# Altium PCB SI945D.PCBDOC (part 2 of 2)
Units mil, origin at the board's own origin, x right, y up, seen from the top; angles counter-clockwise.
Board outline 3122.05 x 2322.84 mil, 4 copper layers (Top, MidLayer1, MidLayer2, Bottom), stack 64.291 mil thick; 171 components, 95 nets, 602 pads, 218 vias.
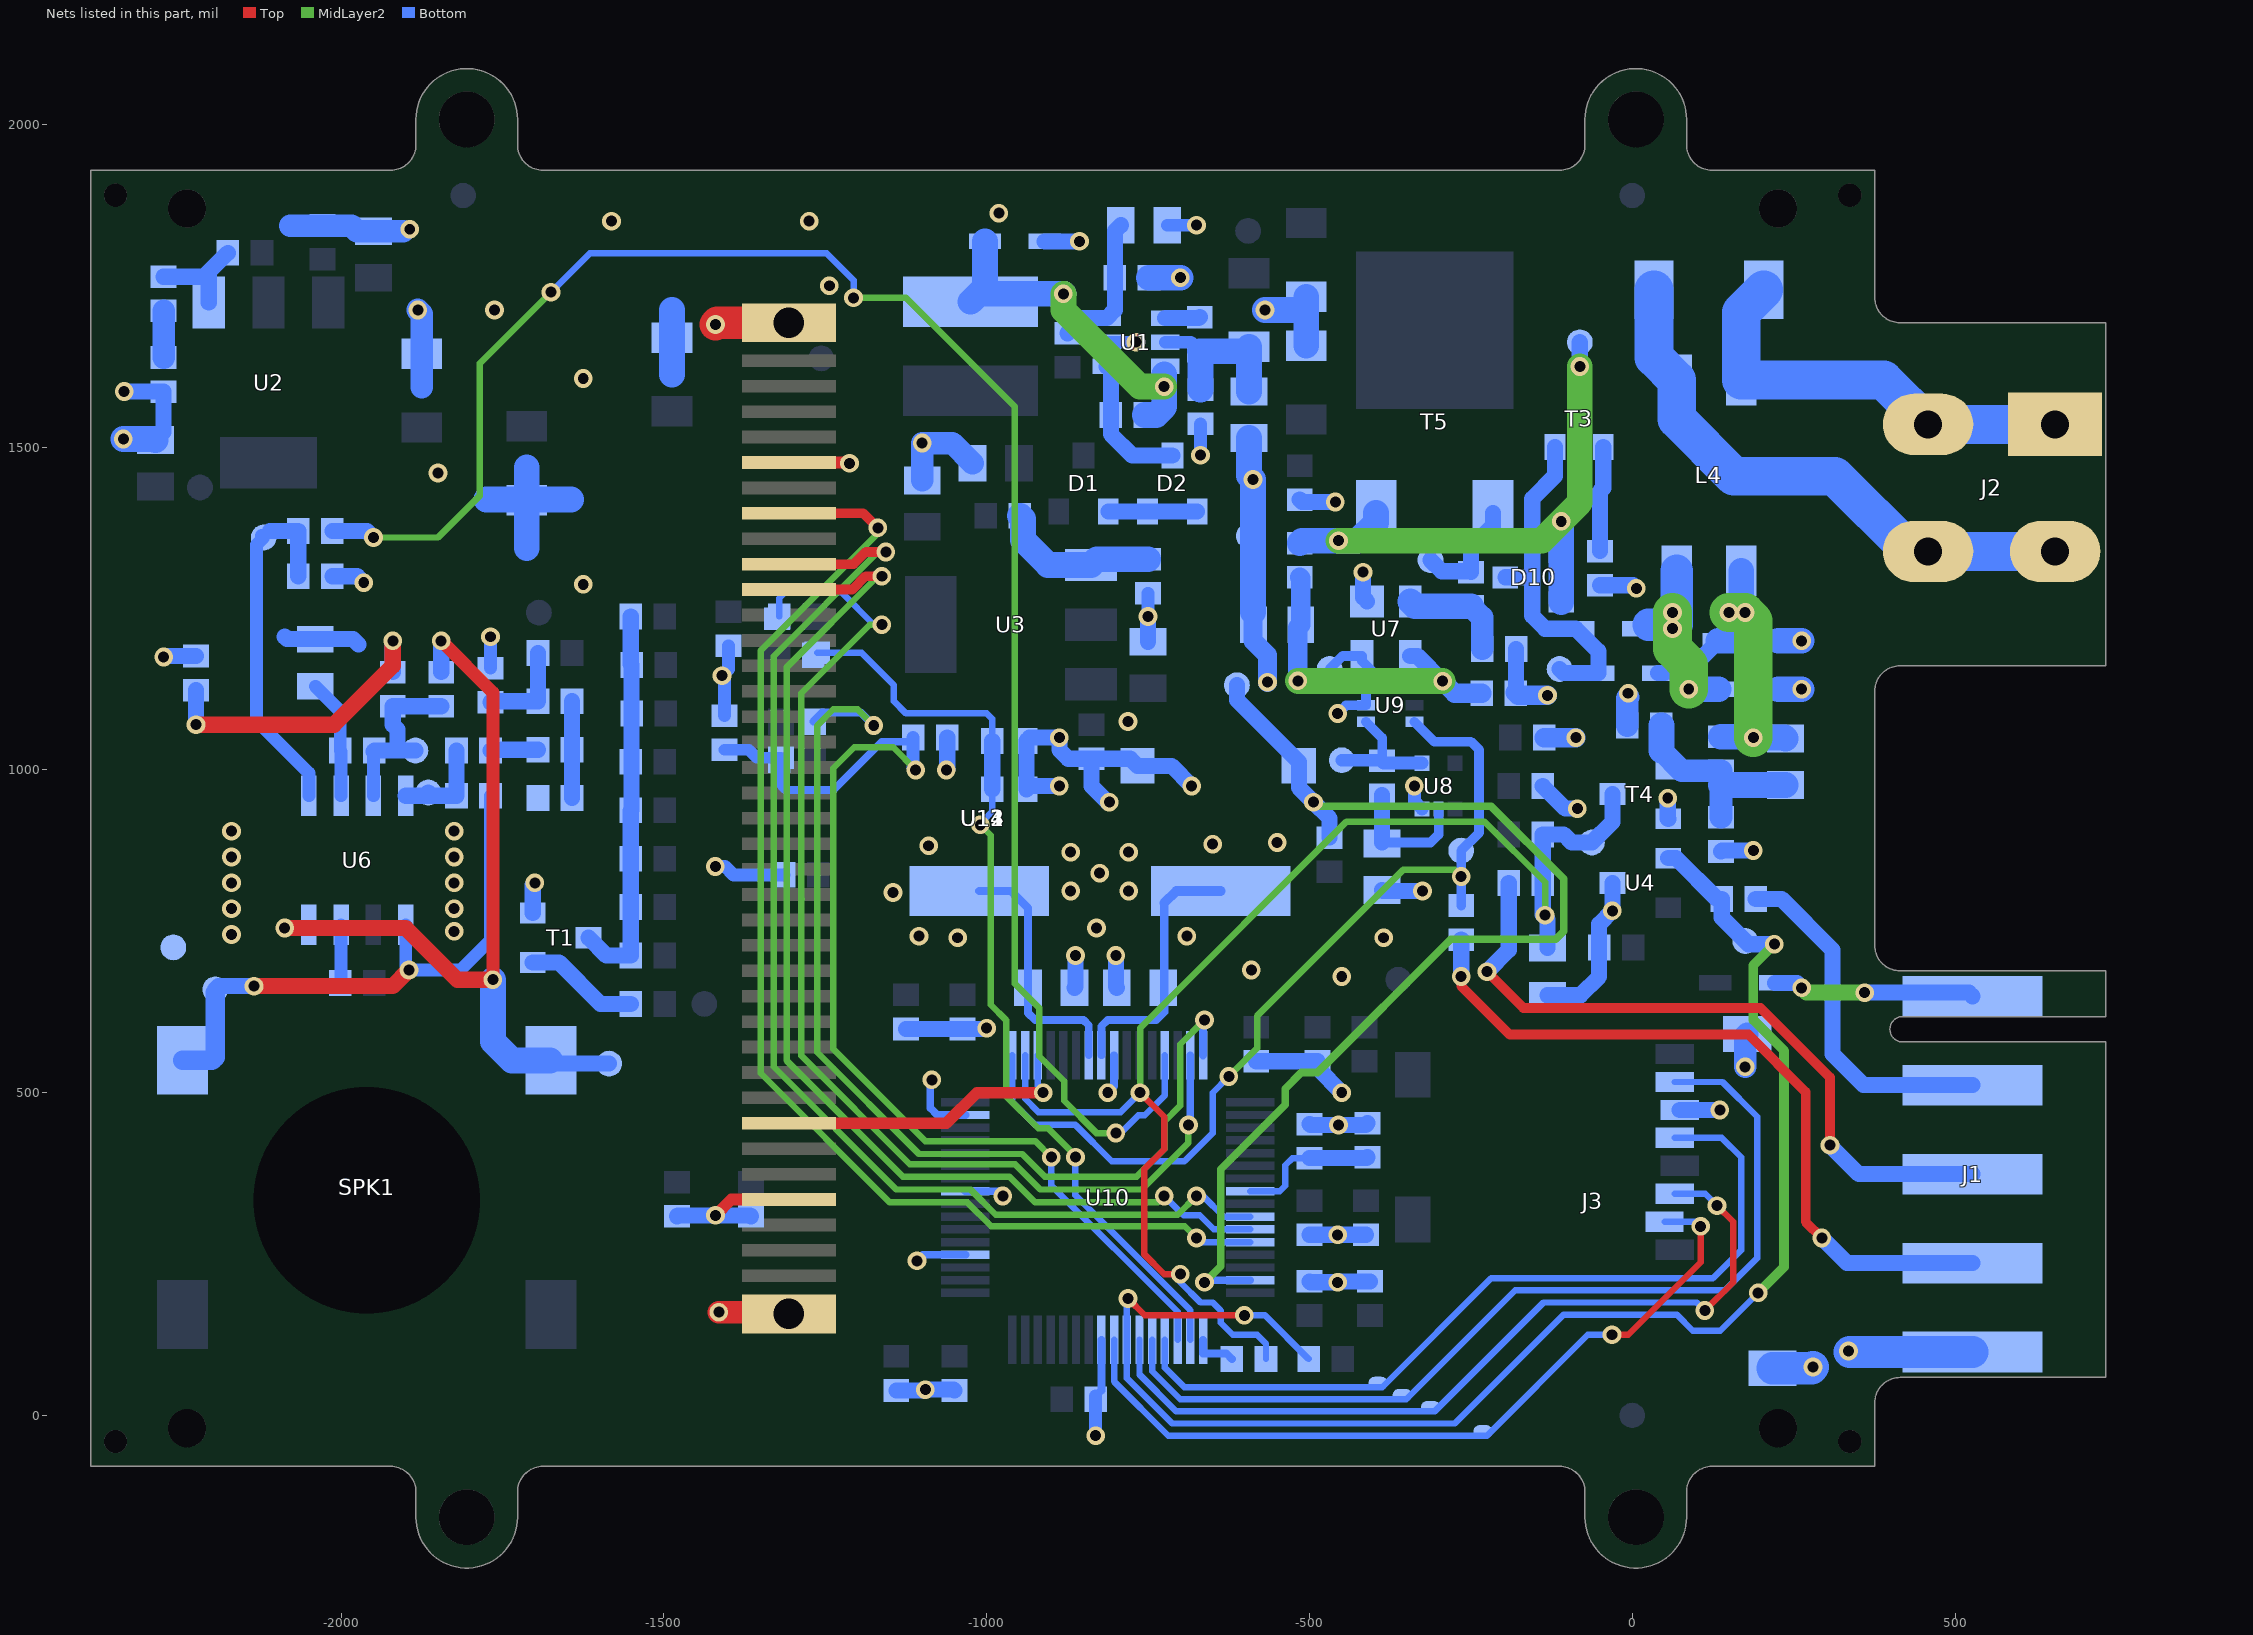
[diagram p4: the nets of this part, all layers, seen from the top]

## Via types
v1: diameter 29, hole 17, Top to Bottom, tented both sides, 213 vias
v2: diameter 29, hole 17, Top to Bottom, 5 vias

## Nets (pads, with @x,y where several pads share a name; then routed paths per layer and width w, separated by ;. In a path a pad name is that pad's centre, name@x,y a point inside that pad or via, vN(x,y) a via of type N, cw(c..) or ccw(c..) an arc to the next point about the centre after c; other vN are vias at no path point) (continued)
GND: C1.1 C2.1 C4.1 C5.2 C6.1 C7.1 C8.2 C9.1 C10.2 C11.1 C12.2 C13.1 C14.1 C16.1 C17.1 C18.1 C20.1 C21.1 C22.1 C23.1 C24.1 C25.1 C26.1 C27.1 C28.1 C29.1 C30.1 C31.1 C32.1 C33.1 C34.1 C35.1 C36.1 C37.1 C38.1 C39.1 C40.1 C41.1 C42.1 C43.1 C44.1 C45.1 C46.1 C47.1 C48.1 C49.1 C50.1 C51.1 C52.1 D3.A D8.A D9.A J1.5 J3.6 J3.9 J3.9A JT4.1 JT23.1 R1.1 R2.1 R4.1 R8.1 R10.1 R29.1 R30.1 R34.1 R109.1 R111.1 S1.2 T1.2 T4.2 U1.2 U4.3 U6.7 U7.1 U8.3 U9.2 U9.3 U10.9 U10.20 U10.25 U10.31 U10.41 U11.5 U11.34 U11.L1 U11.L2 U12.5 U12.34 U12.L1 U12.L2 U13.5 U13.34 U13.L1 U13.L2 U14.5 U14.34 U14.L1 U14.L2 | length 6202.4
  Top w18: v1(-1420,310) -1395.55,334.45 U14.34@-1306.3,334.45 ; U14.5@-1306.3,1476.18 -1213.68,1476.18 v1(-1212.5,1475)
  Top w35: v1(-1415,160) U14.L2@-1305,160
  Top w50: v1(-1420,1690) -1417.28,1692.72 U14.L1@-1306.3,1692.72
  Bottom w12: v1(-1108.04,239.46) -1098.58,248.92 U10.20@-1032.97,248.92 ; v1(-1085,520) -1087.5,517.5 -1087.5,476.41 -1076.54,465.45 U10.31@-1032.97,465.45 ; U10.25@-1032.97,347.34 -982.34,347.34 v1(-975,340) ; C35.1@-831.25,29.85 -822.34,38.76 U10.9@-822.34,117.03 ; v1(-812.5,500) -802.66,509.84 U10.41@-802.66,557.97
  Bottom w15: v1(-456.25,1087.5) -443.75,1100 U9.2@-412.4,1100 U9.3@-412.4,1125.59
  Bottom w20: C14.1@-2001.4,670 -2000,671.4 U6.7@-2000,760 ; C16.1@-1768.75,1157.65 v1(-1768.75,1206.25) ; v1(-1420.37,850.21) -1405.21,850.21 -1392.5,837.5 R111.1@-1313.9,837.5 ; C2.1@-1406.25,1084.05 -1406.25,1142.13 v2(-1410,1145.88) -1400,1155.88 R109.1@-1400,1192.35 ; v1(-831.25,-31.25) C35.1@-831.25,25 C35.1@-831.25,29.85 ; U1.2@-814.05,1662.5 v1(-768.75,1662.5) ; v1(-750,1237.5) R10.1@-750,1273.6 ; C52.1@-720.25,1843.75 v2(-675,1843.75) ; v1(-668.75,1487.5) C5.2@-668.75,1536.1 ; v1(-337.5,975) -337.5,951.51 U8.3@-325.59,939.6 ; v1@-6.25,1112.5 v1(-6.25,1118.75)
  Bottom w25: v1(-2336.1,1586.1) R8.1@-2275,1586.1 -2275,1523.5 C9.1@-2287.5,1511 ; v1(-2275,1175) -2273.6,1176.4 C18.1@-2225,1176.4 ; -2087.5,1206.25 -2083.77,1202.52 C44.1@-2040,1202.52 -1981.52,1202.52 -1973,1194 ; C45.1@-2013.6,1300 -1975,1300 v1(-1965,1290) ; T1.2@-1703.31,778.39 -1703.31,821.69 v1(-1700,825) ; C43.1@-1480,308.6 -1478.6,310 v1(-1420,310) -1366.4,310 C42.1@-1365,308.6 ; C30.1@-1140,38.6 -1096.4,38.6 v1(-1095,40) -1051.4,40 C29.1@-1050,38.6 ; C27.1@-1125,598.6 C28.1@-1037.5,598.6 -1001.4,598.6 v1(-1000,600) ; v1(-1062.5,1000) -1061.1,1001.4 R2.1@-1061.1,1050 ; D3.A@-909.99,1818.75 v1(-856.25,1818.75) ; v1(-887.5,975) -933.6,975 R1.1@-938.6,970 C1.1@-938.6,1045 -933.6,1050 v1(-887.5,1050) -887.5,1031.25 -873.6,1017.35 C12.2@-837.5,1017.35 ; C39.1@-864,662.5 -862.5,664 v1(-862.5,712.5) ; v1(-810,950) -812.5,950 -837.5,975 C12.2@-837.5,1017.35 ; v1(-800,712.5) -800,664 C40.1@-798.5,662.5 ; C11.1@-750,1198.5 v1(-750,1237.5) ; v1(-682.5,975) -713.68,1006.18 S1.2@-766.5,1006.18 -777.67,1017.35 C12.2@-837.5,1017.35 ; C31.1@-582.5,548.6 C32.1@-487.5,548.6 -487.5,537.5 v1(-450,500) ; C22.1@-515,1418.6 -511.4,1415 v1(-460,1415) ; C41.1@-500,207.65 -498.6,206.25 v1(-456.25,206.25) -454.85,207.65 C36.1@-406.25,207.65 ; C34.1@-500,279.85 v1(-456.25,279.85) C33.1@-412.5,279.85 ; C38.1@-500,451.4 -498.6,450 v1(-455,450) -412.8,450 C37.1@-410,452.8 ; v1(-417.03,1306.25) -417.03,1267.32 U7.1@-410.78,1261.07 ; C26.1@-387.5,814 -386,812.5 v1(-325,812.5) ; C21.1@-181.25,1119.82 -179.85,1121.22 R29.1@-179.85,1187.5 ; C24.1@-138.6,975 -103.6,940 v1(-85,940) ; C51.1@-131.25,651 -80.25,651 -51.4,679.85 C10.2@-51.4,725 -51.4,761.1 v1(-30.81,781.69) U4.3@-30.81,825 ; R34.1@-50,1286.1 1.4,1286.1 v1(6.25,1281.25) ; v1(55,956.25) 55,924.92 T4.2@55.81,924.11 ; J3.6@73.62,473.23 v1(135.73,473.23) ; R30.1@137.5,873.6 138.9,875 v1(187.5,875)
  Bottom w30: C23.1@-587.5,1244.75 -587.5,1200 -565,1177.5 v1(-565,1136) ; C21.1@-181.25,1119.82 C21.1@-180.18,1118.75 -177.06,1115.62 v1(-131.25,1115.62) ; C25.1@-136.1,1050 v1(-87.5,1050)
  Bottom w35: -2079,1843 -1984,1843 -1975.5,1834.5 C7.1@-1950,1834.5 v1@-1904,1834.5 ; v1(-1881.25,1712.5) -1875,1706.25 C49.1@-1875,1644.59 -1875,1593 ; C13.1@-1100,1448.5 v2(-1100,1506.25) -1053.25,1506.25 C6.1@-1022,1475 ; C46.1@-7.65,1068.75 -7.65,1111.1 v1@-6.25,1112.5 ; v1(175,540) 175,587.99 J3.9A@177.95,590.94
  Bottom w40: v1(-2337.5,1512.5) -2289,1512.5 C9.1@-2287.5,1511 ; -1775,1418.75 C47.1@-1712.5,1418.75 ; -1712.5,1343.75 C47.1@-1712.5,1417.91 C47.1@-1712.5,1418.75 ; -1712.5,1468.75 C47.1@-1712.5,1418.75 ; -1643.75,1418.75 C47.1@-1712.5,1418.75 ; -1487.5,1612.5 C50.1@-1487.5,1669.59 -1487.5,1712.5 ; R4.1@-748.6,1762.5 v1(-700,1762.5) ; C4.1@-593.75,1514 -593.75,1456.25 v1(-587.5,1450) C23.1@-587.5,1244.75 ; v1(-568.75,1712.5) C48.1@-506.25,1712.5 ; C20.1@-505,1657.09 C48.1@-505,1732.91 ; D8.A@226.26,1125 v1(262.5,1125) ; D9.A@226.26,1200 v1(262.5,1200)
  Bottom w50: J3.9@217.32,73.23 278.23,73.23 v1(280,75) ; v1@336.77,98.23 J1.5@527.16,98.23
  other v1: 335,100 -450,680 -590,690 -1045,740 -385,740 -1105,742.5 -690,742.5 -2170,745 -1825,750 -830,755 -2170,785 -1825,785 -1145,810 -870,812.5 -780,812.5 -2170,825 -1825,825 -825,840 -2170,865 -1825,865 -870,872.5 -780,872.5 -1090,882.5 -650,885 -550,887.5 -2170,905 -1825,905 -781.25,1075 -1625,1287.5 -1850,1460 -1625,1606.25 -1762.5,1712.5 -1243.75,1750 -1893.75,1837.5 -1581.25,1850 -1275,1850 -981.25,1862.5
IHM_DETECT_OUVERTURE: JT26.1 R35.1 S1.1 U10.63 | length 1769.4
  MidLayer2 w12: v1(-662.5,206.25) -637.5,231.25 -637.5,381.25 -537.5,481.25 -537.5,506.25 -512.5,531.25 -487.5,531.25 -281.25,737.5 -118.75,737.5 -106.25,750 -106.25,831.25 -218.75,943.75 -487.5,943.75 v1(-493.75,950)
  Bottom w12: v1(-662.5,206.25) -659.2,209.55 U10.63@-592.03,209.55 ; S1.1@-516.5,1006.18 S1.1@-516.5,1012.5
  Bottom w25: JT26.1@-612.5,1131.25 -612.5,1108.5 S1.1@-516.5,1012.5 ; S1.1@-516.5,1006.18 -516.5,972.75 v1(-493.75,950) -468.75,925 R35.1@-468.75,895.15
N_AUDIOENB: R19.1 U10.45 | length 2847.8
  MidLayer2 w10: v1(-1950,1360) -1850,1360 -1785,1425 -1785,1630 v1(-1675,1740) ; v1(-1206.25,1731.25) -1125,1731.25 -956.25,1562.5 -956.25,668.75 -918.75,631.25 -918.75,556.25 -880,517.5 -880,487.49 -830.01,437.5 v1(-800,437.5)
  Bottom w10: v1(-1675,1740) -1615,1800 -1247.66,1800 -1206.25,1758.59 v1(-1206.25,1731.25) ; v1(-800,437.5) -792.5,437.5 -765,465 -755,465 -723.92,496.08 U10.45@-723.92,557.97
  Bottom w25: R19.1@-2013.6,1370 -1960,1370 v1(-1950,1360)
N_DISP_CS: U10.60 U11.7 U12.7 U13.7 U14.7 | length 1933.2
  Top w15: U14.7@-1306.3,1397.44 -1191.19,1397.44 v1(-1168.75,1375)
  MidLayer2 w10: v1(-1168.75,1375) -1168.75,1366.25 -1350,1185 -1350,530 -1150,330 -1030,330 -993,293 -693,293 v1(-675,275)
  Bottom w10: v1(-675,275) -668.6,268.6 U10.60@-592.03,268.6
N_DISP_RD: U10.59 U11.10 U12.10 U13.10 U14.10 | length 1801.8
  Top w15: U14.10@-1306.3,1279.33 -1208.17,1279.33 -1187.5,1300 v1(-1162.5,1300)
  MidLayer2 w10: v1(-1162.5,1300) -1168.75,1300 -1310,1158.75 -1310,550 -1130,370 -965,370 -925,330 -735,330 v1(-725,340)
  Bottom w10: v1(-725,340) -695,310 -670,310 -648.29,288.29 U10.59@-592.03,288.29
N_DISP_RES: U10.35 U11.31 U12.31 U13.31 U14.31 | length 474.8
  Top w18: U14.31@-1306.3,452.56 -1062.44,452.56 -1015,500 v1(-912.5,500)
  Bottom w10: U10.35@-920.77,557.97 -920.77,508.27 v1(-912.5,500)
N_DISP_WR: U10.58 U11.9 U12.9 U13.9 U14.9 | length 1892.8
  Top w15: U14.9@-1306.3,1318.7 -1206.3,1318.7 -1187.5,1337.5 v1(-1156.25,1337.5)
  MidLayer2 w10: v1(-1156.25,1337.5) -1168.75,1337.5 -1330,1176.25 -1330,540 -1140,350 -1025,350 -985.91,310.91 -704.09,310.91 v1(-675,340)
  Bottom w10: v1(-675,340) -665,340 -632.97,307.97 U10.58@-592.03,307.97
N_RESET: JT8.1 R23.1 R32.1 U4.1 U10.7 | length 2380.3
  Top w10: v1(-781.25,181.25) -755,155 v1(-601,155)
  MidLayer2 w15: v1(195,190) 235,230 235,565 187.5,612.5 187.5,697.5 v1(220,730)
  Bottom w10: v1(-781.25,181.25) -782.97,179.53 U10.7@-782.97,117.03 -782.97,57.97 -712.5,-12.5 -275,-12.5 -106.25,156.25 68.75,156.25 93.75,131.25 136.25,131.25 v1(195,190) ; v1(-601,155) -568.9,155 R32.1@-501.4,87.5
  Bottom w25: U4.1@55.81,863.39 67.86,863.39 131.25,800 R23.1@138.6,800 138.6,771.4 JT8.1@175,735 180,730 v1(220,730)
N_SDCS: J3.2 JT12.1 U10.8 | length 1233.6
  Top w10: v1(-31.25,125) -6.25,125 106,237.25 v1(106,293)
  Bottom w10: U10.8@-802.66,117.03 -802.66,52.66 -718.75,-31.25 -225,-31.25 -68.75,125 v1(-31.25,125) ; J3.2@50,300 99,300 v1(106,293)
NetC3_1: C3.1 D3.K L1.1 U1.6 | length 549.8
  MidLayer2 w40: v1(-881.25,1737.5) -881.25,1712.5 -762.5,1593.75 v1(-725,1593.75)
  Bottom w20: L1.1@-1002.51,1737.5 L1.1@-1002.51,1747.64
  Bottom w40: L1.1@-1025,1725.15 -1002.51,1747.64 D3.K@-1002.51,1818.75 ; L1.1@-1002.51,1737.5 v1(-881.25,1737.5) ; C3.1@-754.85,1550 -737.5,1550 -725,1562.5 v1(-725,1593.75) -725,1612.5
NetC3_2: C3.2 D2.3 U1.1 | length 216.4
  Bottom w25: U1.1@-814.03,1625.1 -807.65,1618.72 C3.2@-807.65,1550 -807.65,1520.15 -774.56,1487.06 D2.3@-712.5,1487.06
NetC4_2: C4.2 C5.1 L2.2 R3.2 U1.5 | length 267.9
  Bottom w20: U1.5@-723.47,1662.5 -683.9,1662.5 R3.2@-670,1648.6
  Bottom w40: C5.1@-668.75,1588.9 -668.75,1647.35 R3.2@-670,1648.6 -600.56,1648.6 L2.2@-593.75,1655.41 C4.2@-593.75,1586
NetC15_1: C15.1 R17.1 | length 74
  Bottom w25: R17.1@-1768.6,1030 -1767.35,1031.25 C15.1@-1695.15,1031.25
NetC15_2: C15.2 C17.2 R16.2 | length 150
  Bottom w25: C17.2@-1642.35,956.25 C15.2@-1642.35,1031.25 R16.2@-1642.35,1106.25
NetC16_2: C16.2 R15.2 R16.1 | length 149.2
  Bottom w25: C16.2@-1768.75,1104.85 -1767.35,1106.25 R16.1@-1695.15,1106.25 R15.2@-1695.15,1181.25
NetC18_2: C18.2 R18.1 | length 483.7
  Top w25: v1(-2225,1070) -2011.25,1070 -1920,1161.25 v1(-1920,1200)
  Bottom w25: v1(-2225,1070) C18.2@-2225,1123.6 ; R18.1@-1920,1151.4 v1(-1920,1200)
NetC19_1: C19.1 C46.2 R26.1 R30.2 T4.1 | length 316.4
  Bottom w35: 45.15,1029.85 76.4,998.6 R26.1@137.5,998.6 137.5,976.5 R30.2@137.5,926.4
  Bottom w40: 45.15,1029.85 C46.2@45.15,1068.75 ; 137.5,976.5 C19.1@237.5,976.5
NetC19_2: C19.2 D5.A D9.K L4.3 R26.2 | length 594.6
  MidLayer2 w60: v1(150,1243.75) v1(175,1243.75) 187.5,1231.25 v1(187.5,1050)
  Bottom w25: D5.A@40.01,1150 50,1150 73,1173 106.74,1173 D9.K@133.74,1200 ; v1@186.1,1051.4 v1(187.5,1050)
  Bottom w40: D9.K@133.74,1200 156.25,1200 168.75,1212.5 v1@168.75,1243.75 ; R26.2@137.5,1051.4 v1@186.1,1051.4 ; v1(150,1243.75) v1@168.75,1243.75 ; L4.3@168.75,1308.61 v1@168.75,1243.75 ; v1(187.5,1050) 236,1050 C19.2@237.5,1048.5
NetC21_2: C21.2 C23.2 R25.1 U7.3 | length 522.3
  MidLayer2 w40: v1(-518,1138) -517.5,1137.5 v1(-293.75,1137.5)
  Bottom w25: U7.3@-343.85,1176.43 -332.68,1176.43 v1(-293.75,1137.5)
  Bottom w30: v1(-518,1138) -518,1220.5 C23.2@-513.5,1225 -513.5,1297.1 R25.1@-515,1298.6 ; v1(-293.75,1137.5) -275,1118.75 C21.2@-232.98,1118.75
NetC26_2: C26.2 R31.1 U8.2 | length 205.9
  Bottom w15: C26.2@-387.5,887.5 -312.5,887.5 -300,900 U8.2@-300,939.6
  Bottom w25: C26.2@-387.5,887.5 R31.1@-387.5,961.1
NetC37_2: C37.2 C38.2 U10.56 | length 222.3
  Bottom w10: U10.56@-592.03,347.34 -546.17,347.34 -537.5,356.01 -537.5,387.5 -526.4,398.6 C38.2@-500,398.6
  Bottom w25: C38.2@-500,398.6 -411.4,398.6 C37.2@-410,400
NetC39_2: C39.2 Q1.1 U10.39 | length 397.4
  Bottom w12: C39.2@-936,662.5 -936,623.5 -925,612.5 -850,612.5 -842.03,604.53 U10.39@-842.03,557.97
  Bottom w12.5: Q1.1@-1011.52,812.5 -962.5,812.5 -936,786 C39.2@-936,662.5
NetC40_2: C40.2 Q1.2 U10.40 | length 415.3
  Bottom w12: U10.40@-822.34,557.97 -822.34,602.66 -812.5,612.5 -737.5,612.5 -725,625
  Bottom w12.5: -725,625 Q1.2@-725,793.75
  Bottom w15: Q1.2@-725,793.75 -706.25,812.5 Q1.2@-637.5,812.5
NetC44_2: C44.2 R13.2 U6.2 | length 186.1
  Bottom w20: C44.2@-2040,1129.52 -2001.4,1090.92 R13.2@-2001.4,1030 -2000,1028.6 U6.2@-2000,960
NetC45_2: C45.2 JT5.1 R19.2 U6.1 | length 556.7
  Bottom w20: JT5.1@-2123.39,1363.39 JT5.1@-2120,1360 -2131.25,1348.75 -2131.25,1076.25 -2050,995 U6.1@-2050,960
  Bottom w25: JT5.1@-2110,1370 R19.2@-2066.4,1370 C45.2@-2066.4,1300
NetC52_2: C52.2 R4.2 R5.1 U1.3 | length 223.6
  Bottom w25: R5.1@-875,1676.4 -851.5,1699.9 U1.3@-814.03,1699.9 -801.4,1712.53 R4.2@-801.4,1762.5 -801.4,1834.6 C52.2@-792.25,1843.75
NetD1_1: D1.1 D2.1 D2.2 | length 137.5
  Bottom w25: D1.1@-811.61,1400.44 D2.2@-750.89,1400.44 D2.1@-674.11,1400.44
NetD4_A: D4.A J1.1 | length 314.4
  MidLayer2 w25: v1(262.5,662.5) 270,655 v1(360,655)
  Bottom w25: D4.A@221.26,670 255,670 v1(262.5,662.5) ; v1(360,655) 521.57,655 J1.1@527.16,649.41
NetD5_K: D5.K D6.K D10.3 JT19.1 T3.2 | length 540.2
  Bottom w25: D10.3@-196.61,1298.39 -156.61,1298.39 -155,1300 ; T3.2@-119.64,1500.44 -119.64,1455.36 -155,1420 -155,1300 ; JT19.1@-112.5,1156.25 -106.25,1150 D5.K@-52.51,1150 -52.51,1183.76 -87.5,1218.75 -135,1218.75 -155,1238.75 -155,1300
NetD6_A: D6.A D8.K L4.4 | length 315.2
  MidLayer2 w60: v1(62.5,1243.75) v1(62.5,1218.75) 62.5,1187.5 87.5,1162.5 v1(87.5,1125)
  Bottom w40: v1(87.5,1125) D8.K@133.74,1125
  Bottom w50: D6.A@25,1225 62.5,1225 v1(62.5,1243.75) ; v1@68.75,1225 L4.4@68.75,1308.61
NetD7_1: D7.1 J2.2 J2.4 L4.1 | length 885.9
  Bottom w60: D7.1@33.75,1743.75 33.75,1638.89 L4.1@68.75,1603.89 68.75,1543.75 157.5,1455 313.75,1455 430.36,1338.39 J2.4@458.27,1338.39 J2.2@655.12,1338.39
NetD7_2: D7.2 J2.1 J2.3 L4.2 | length 669.2
  Bottom w60: D7.2@203.75,1743.75 168.75,1708.75 L4.2@168.75,1603.89 389.62,1603.89 J2.3@458.27,1535.24 J2.1@655.12,1535.24
NetD10_1: D10.1 D10.2 JT20.1 R25.2 T3.3 T5.3 | length 955.9
  MidLayer2 w40: v1(-455,1355) -140,1355 v1(-110,1385) -81.25,1413.75 v1(-81.25,1624.78)
  Bottom w25: T3.3@-82.23,1587.06 -81.25,1588.04 v1(-81.25,1624.78) JT20.1@-81.25,1662.5
  Bottom w40: R25.2@-515,1351.4 -511.4,1355 v1(-455,1355) -425,1355 -396.8,1383.2 T5.3@-396.8,1397.79 ; D10.2@-110,1260 D10.1@-110,1336.77 v1(-110,1385)
NetJ1_2: J1.2 R23.2 | length 549.7
  Bottom w25: R23.2@191.4,800 231.25,800 310,721.25 310,560 358.39,511.61 J1.2@527.16,511.61
NetJ1_3: J1.3 R24.2 | length 1095
  Top w15: v1(-225,687.5) -168.75,631.25 198.75,631.25 306.25,523.75 v1(306.25,418.75)
  Bottom w25: v1(-225,687.5) -191.4,721.1 R24.2@-191.4,825 ; v1(306.25,418.75) 351.18,373.82 J1.3@527.16,373.82
NetJ1_4: J1.4 R28.2 | length 1159.9
  Top w15: v1(-265,680) -265,665 -190,590 180,590 268.75,501.25 268.75,300 v1(293.75,275)
  Bottom w25: v1(-265,680) R28.2@-265,737.2 ; v1(293.75,275) 332.73,236.02 J1.4@527.16,236.02
NetJT2_1: JT2.1 R14.1 R17.2 U6.4 | length 155.7
  Bottom w25: U6.4@-1900,960 JT2.1@-1870,960 ; JT2.1@-1865,965 JT2.1@-1870,960 ; R17.2@-1821.4,1030 R14.1@-1821.4,960 JT2.1@-1870,960
NetJT3_1: JT3.1 R13.1 R18.2 R21.1 U6.3 | length 280.9
  Bottom w20: U6.3@-1950,960 R13.1@-1950,1028.6
  Bottom w25: R13.1@-1950,1028.6 R13.1@-1948.6,1030 -1912.5,1030 ; JT3.1@-1885,1030 -1912.5,1030 ; R21.1@-1845,1098.6 R18.2@-1920,1098.6 -1920,1070 -1912.5,1062.5 -1912.5,1030
NetJT6_1: JT6.1 R14.2 SPK1.1 U6.5 | length 920.8
  Top w25: v1(-2135,665) -1920,665 v1(-1895,690)
  Bottom w20: U6.5@-1900,760 -1900,695 v1(-1895,690) -1815,690 -1768.6,736.4 R14.2@-1768.6,960
  Bottom w25: JT6.1@-2195,655 JT6.1@-2185,665 ; JT6.1@-2195,660 -2190,665 JT6.1@-2185,665 ; v1(-2135,665) JT6.1@-2185,665
  Bottom w30: SPK1.1@-2245.87,550 -2200,550 -2195,555 JT6.1@-2195,655
NetJT7_1: JT7.1 R21.2 SPK1.2 U6.8 | length 1293.3
  Top w20: v1(-1845,1200) -1765,1120 v1(-1765,675)
  Top w25: v1(-2087.5,755) -1900,755 -1820,675 v1(-1765,675)
  Bottom w15: v1(-2087.5,755) -2082.5,760 U6.8@-2050,760
  Bottom w25: R21.2@-1845,1151.4 v1(-1845,1200) ; SPK1.2@-1675,550 -1676.57,550 -1671.57,545 JT7.1@-1585,545
  Bottom w40: v1(-1765,675) -1765,579.47 -1735.53,550 SPK1.2@-1676.57,550
NetJT11_1: JT11.1 R31.2 U8.4 U9.1 | length 198.5
  Bottom w15: U9.1@-412.4,1074.41 -387.5,1049.51 R31.2@-387.5,1013.9
  Bottom w20: JT11.1@-450,1015 -390,1015 R31.2@-388.9,1013.9 ; R31.2@-387.5,1013.9 R31.2@-388.9,1013.9 ; U8.4@-325.59,1010.43 -385.43,1010.43 R31.2@-388.9,1013.9
NetJT22_1: JT22.1 R12.2 T5.1 | length 175.3
  Bottom w25: JT22.1@-312.5,1325 -295.15,1307.65 R12.2@-250,1307.65 ; R12.2@-250,1306.4 R12.2@-250,1307.65 ; T5.1@-215.7,1397.79 -215.7,1378.05 -250,1343.75 R12.2@-250,1307.65
NetJT24_1: JT24.1 U7.4 U9.4 | length 165.1
  Bottom w15: JT24.1@-468.75,1156.25 -448.57,1176.43 U7.4@-418.65,1176.43 -418.65,1168.65 -397,1147 -385,1147 -363.59,1125.59 U9.4@-337.6,1125.59
NetR3_1: R3.1 U1.4 | length 54.1
  Bottom w25: U1.4@-723.47,1699.9 -671.5,1699.9 R3.1@-670,1701.4
NetR6_1: R6.1 R7.2 U2.1 | length 162.3
  Bottom w25: R7.2@-2275,1763.9 -2212.5,1763.9 -2205.02,1771.38 ; U2.1@-2205.02,1724 -2205.02,1771.38 ; R6.1@-2175.4,1801 -2205.02,1771.38